# Altium PCB PCB-FPGA.PcbDoc (part 2 of 2) (continued)
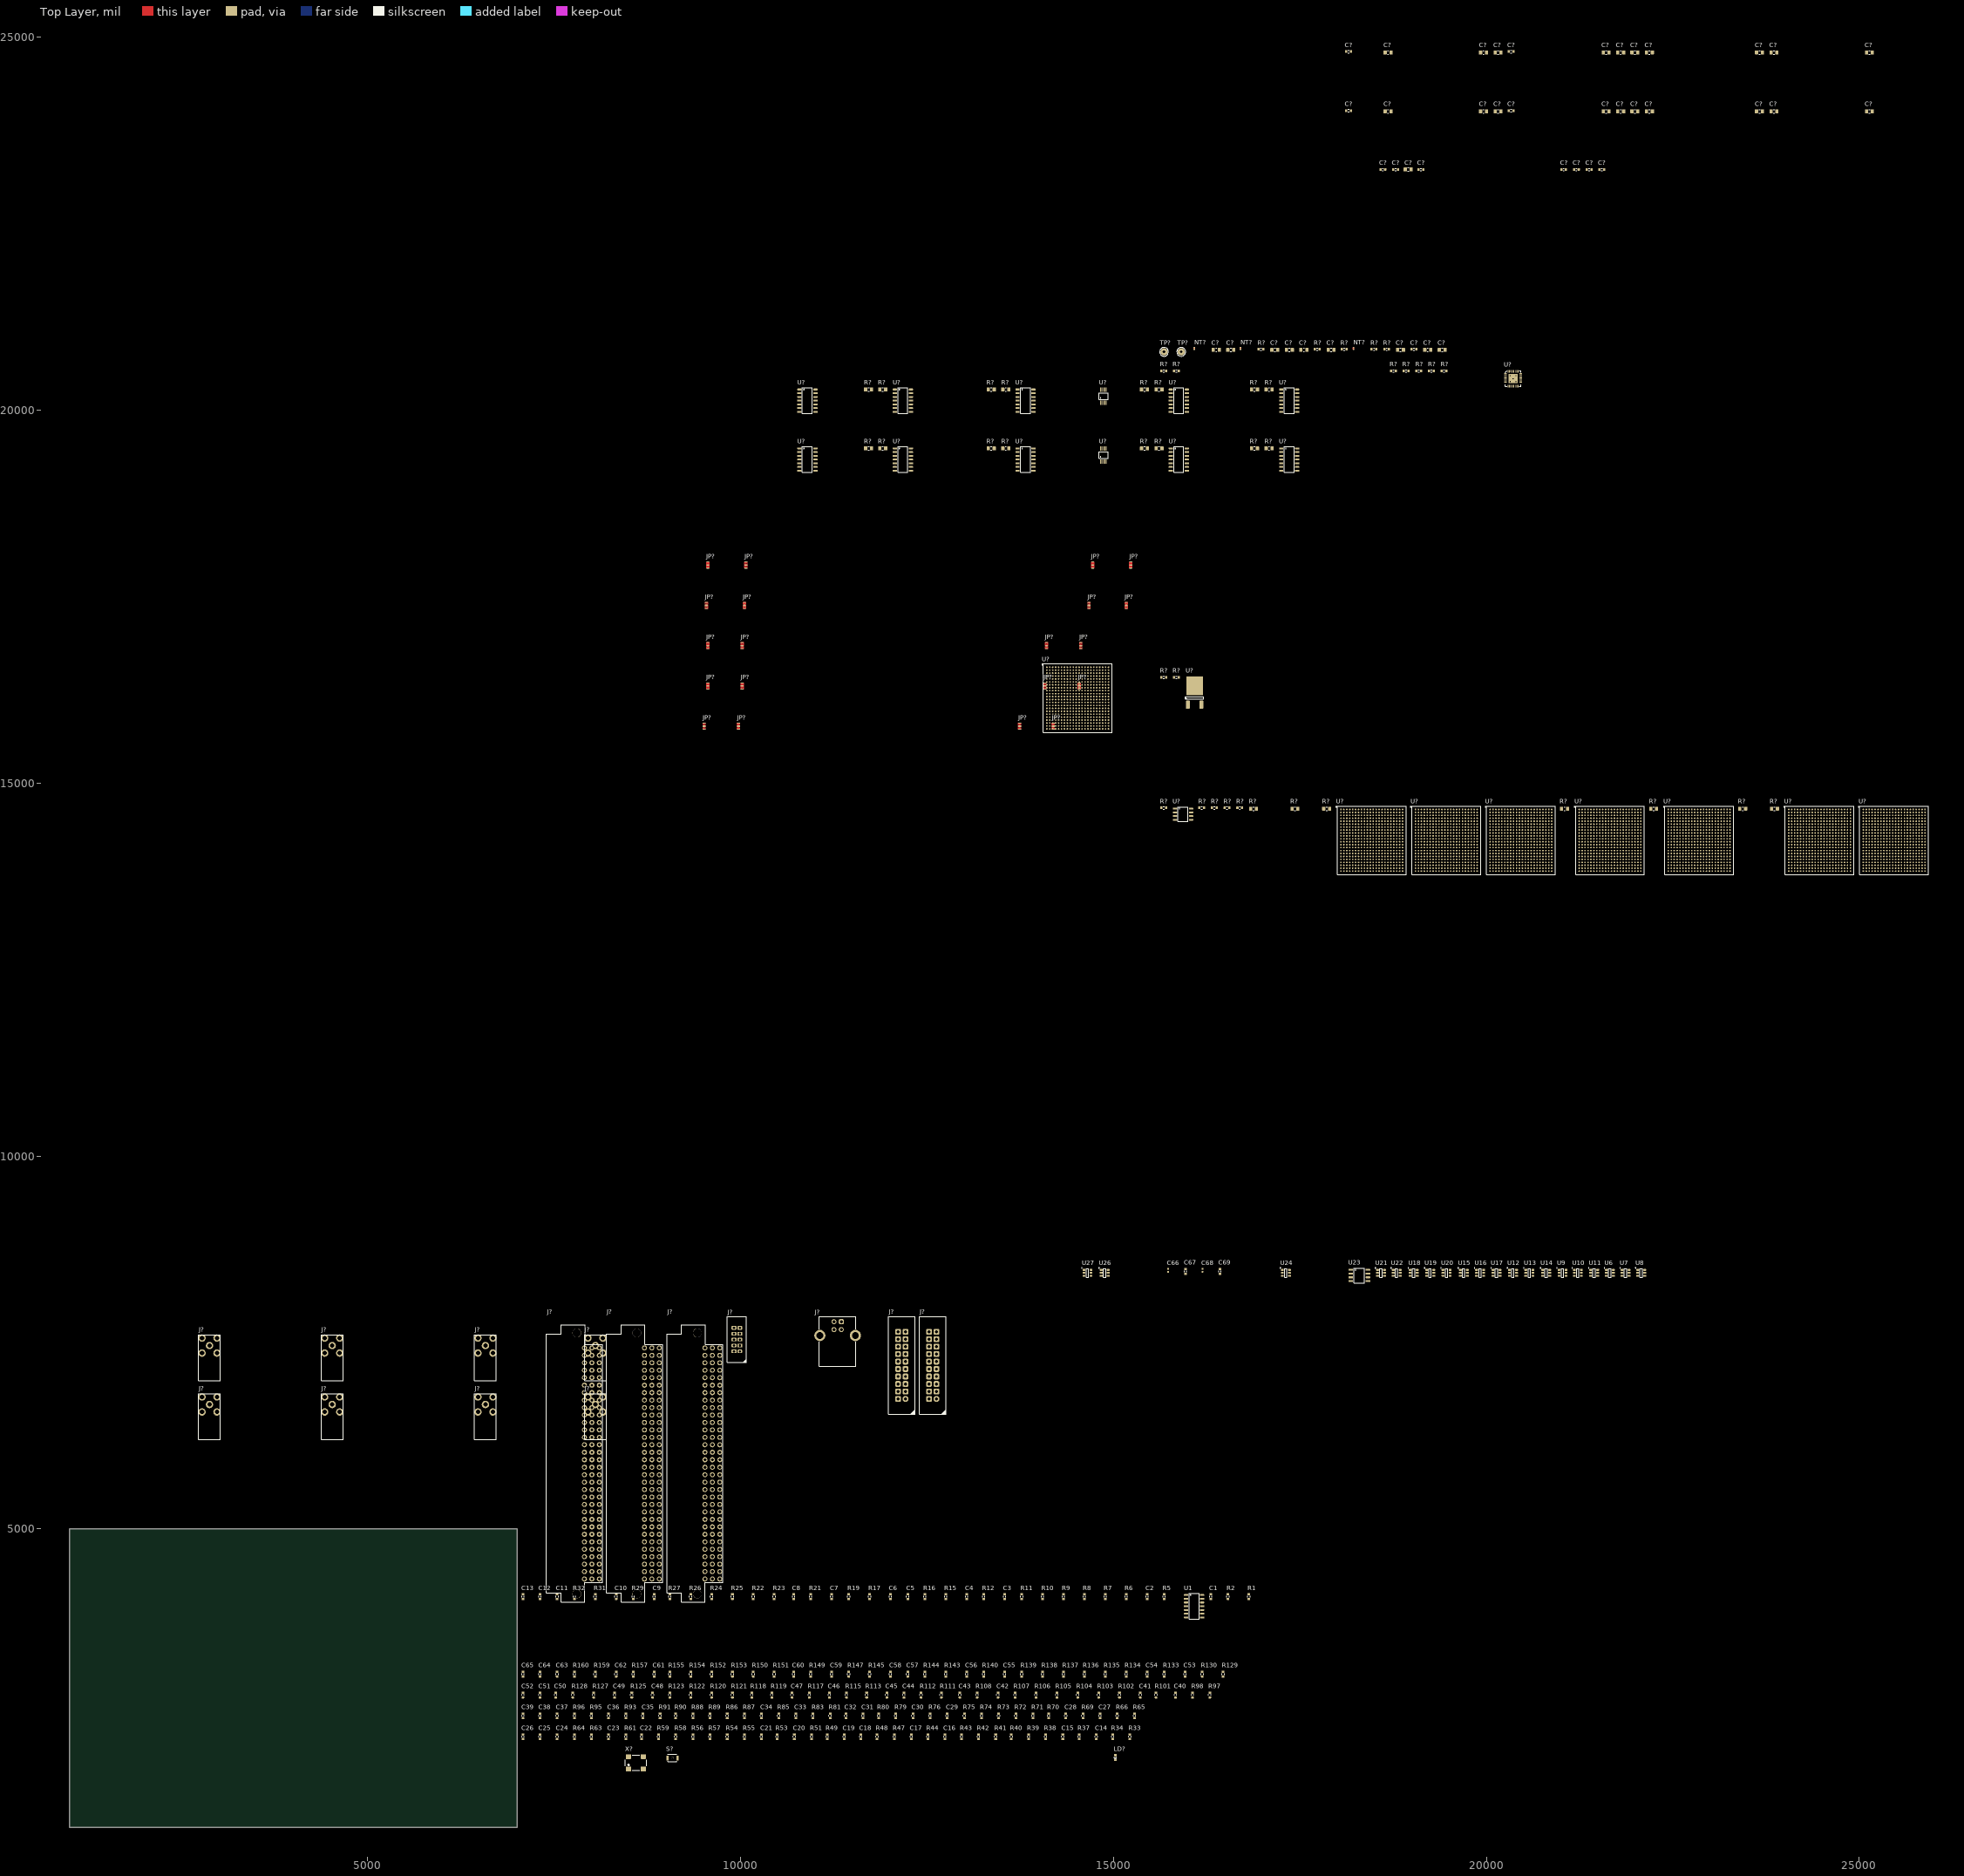
[diagram p0: Top Layer view]
## Nets (pads, with @x,y where several pads share a name; then routed paths per layer and width w, separated by ;. In a path a pad name is that pad's centre, name@x,y a point inside that pad or via, vN(x,y) a via of type N, cw(c..) or ccw(c..) an arc to the next point about the centre after c; other vN are vias at no path point) (continued)
pads on no net: C14.1 C14.2 C15.1 C15.2 C16.1 C16.2 C17.1 C17.2 C18.1 C18.2 C19.1 C19.2 C20.1 C20.2 C21.1 C21.2 C22.1 C22.2 C23.1 C23.2 C24.1 C24.2 C25.1 C25.2 C26.1 C26.2 C27.1 C27.2 C28.1 C28.2 C29.1 C29.2 C30.1 C30.2 C31.1 C31.2 C32.1 C32.2 C33.1 C33.2 C34.1 C34.2 C35.1 C35.2 C36.1 C36.2 C37.1 C37.2 C38.1 C38.2 C39.1 C39.2 C40.1 C40.2 C41.1 C41.2 C42.1 C42.2 C43.1 C43.2 C44.1 C44.2 C45.1 C45.2 C46.1 C46.2 C47.1 C47.2 C48.1 C48.2 C49.1 C49.2 C50.1 C50.2 C51.1 C51.2 C52.1 C52.2 C?.1@17877.91,20810 C?.1@19921.26,24010 C?.1@19921.26,24800 C?.1@21566.26,24010 C?.1@21566.26,24800 C?.1@23621.26,24800 C?.1@25096.26,24010 C?.1@25096.26,24800 C?.2@17201.65,20810 C?.2@17956.65,20810 C?.2@18720,24010 C?.2@18886.65,20810 C?.2@20000,24010 C?.2@20000,24800 C?.2@20195,24010 C?.2@20195,24800 C?.2@21645,24010 C?.2@21645,24800 C?.2@21840,24010 C?.2@21840,24800 C?.2@22225,24010 C?.2@22225,24800 C?.2@23700,24010 C?.2@23700,24800 C?.2@23895,24010 C?.2@23895,24800 C?.2@25175,24010 C?.2@25175,24800 J?.0 J?.1@2877.72,6670 J?.1@2877.72,7460 J?.1@4522.72,6670 J?.1@4522.72,7460 J?.1@6577.72,6670 J?.1@6577.72,7460 J?.1@8052.72,6670 J?.1@8052.72,7460 J?.1@11349.21,7780.55 J?.1@12625,6745 J?.2@11250.79,7780.55 J?.2@12525,6745 J?.3@11250.79,7674.25 J?.3@12210,6845 J?.3@12625,6845 J?.4@11349.21,7674.25 J?.4@12110,6845 J?.5@11061.81,7595.51 J?.5@12210,6945 J?.5@12625,6945 J?.6@11538.19,7595.51 J?.6@12110,6945 J?.7@12210,7045 J?.7@12625,7045 J?.8@12110,7045 J?.9@12210,7145 J?.9@12625,7145 J?.10@12110,7145 J?.11@12210,7245 J?.12@12110,7245 J?.13@12210,7345 J?.14@12110,7345 J?.15@12625,7445 J?.16@12110,7445 J?.17@12210,7545 J?.18@12110,7545 J?.19@12625,7645 J?.20@12525,7645 J?.A1@8710,4328.82 J?.A1@9520,4328.82 J?.A2@8710,4428.82 J?.A2@9520,4428.82 J?.A3@8710,4528.82 J?.A3@9520,4528.82 J?.A4@8710,4628.82 J?.A4@9520,4628.82 J?.A5@8710,4728.82 J?.A5@9520,4728.82 J?.A6@8710,4828.82 J?.A6@9520,4828.82 J?.A7@8710,4928.82 J?.A7@9520,4928.82 J?.A8@8710,5028.82 J?.A8@9520,5028.82 J?.A9@8710,5128.82 J?.A9@9520,5128.82 J?.A10@8710,5228.82 J?.A10@9520,5228.82 J?.A11@8710,5328.82 J?.A11@9520,5328.82 J?.A12@8710,5428.82 J?.A12@9520,5428.82 J?.A13@8710,5528.82 J?.A13@9520,5528.82 J?.A14@8710,5628.82 J?.A14@9520,5628.82 J?.A15@8710,5728.82 J?.A15@9520,5728.82 J?.A16@8710,5828.82 J?.A16@9520,5828.82 J?.A17@8710,5928.82 J?.A17@9520,5928.82 J?.A18@8710,6028.82 J?.A18@9520,6028.82 J?.A19@8710,6128.82 J?.A19@9520,6128.82 J?.A20@8710,6228.82 J?.A20@9520,6228.82 J?.A21@8710,6328.82 J?.A21@9520,6328.82 J?.A22@8710,6428.82 J?.A22@9520,6428.82 J?.A23@8710,6528.82 J?.A23@9520,6528.82 J?.A24@8710,6628.82 J?.A24@9520,6628.82 J?.A25@8710,6728.82 J?.A25@9520,6728.82 J?.A26@8710,6828.82 J?.A26@9520,6828.82 J?.A27@8710,6928.82 J?.A27@9520,6928.82 J?.A28@8710,7028.82 J?.A28@9520,7028.82 J?.A29@8710,7128.82 J?.A29@9520,7128.82 J?.A30@8710,7228.82 J?.A30@9520,7228.82 J?.A31@8710,7328.82 J?.A31@9520,7328.82 J?.A32@8710,7428.82 J?.A32@9520,7428.82 J?.B1@8005,4328.82 J?.B1@9620,4328.82 J?.B2@8005,4428.82 J?.B2@9620,4428.82 J?.B3@8005,4528.82 J?.B3@9620,4528.82 J?.B4@8005,4628.82 J?.B4@9620,4628.82 J?.B5@8005,4728.82 J?.B5@9620,4728.82 J?.B6@8005,4828.82 J?.B6@9620,4828.82 J?.B7@8005,4928.82 J?.B7@9620,4928.82 J?.B8@8005,5028.82 J?.B8@9620,5028.82 J?.B9@8005,5128.82 J?.B9@9620,5128.82 J?.B10@8005,5228.82 J?.B10@9620,5228.82 J?.B11@8005,5328.82 J?.B11@9620,5328.82 J?.B12@8005,5428.82 J?.B12@9620,5428.82 J?.B13@8005,5528.82 J?.B13@9620,5528.82 J?.B14@8005,5628.82 J?.B14@9620,5628.82 J?.B15@8005,5728.82 J?.B15@9620,5728.82 J?.B16@8005,5828.82 J?.B16@9620,5828.82 J?.B17@8005,5928.82 J?.B17@9620,5928.82 J?.B18@8005,6028.82 J?.B18@9620,6028.82 J?.B19@8005,6128.82 J?.B19@9620,6128.82 J?.B20@8005,6228.82 J?.B20@9620,6228.82 J?.B21@8005,6328.82 J?.B21@9620,6328.82 J?.B22@8005,6428.82 J?.B22@9620,6428.82 J?.B23@8005,6528.82 J?.B23@9620,6528.82 J?.B24@8005,6628.82 J?.B24@9620,6628.82 J?.B25@8005,6728.82 J?.B25@9620,6728.82 J?.B26@8005,6828.82 J?.B26@9620,6828.82 J?.B27@8005,6928.82 J?.B27@9620,6928.82 J?.B28@8005,7028.82 J?.B28@9620,7028.82 J?.B29@8005,7128.82 J?.B29@9620,7128.82 J?.B30@8005,7228.82 J?.B30@9620,7228.82 J?.B31@8005,7328.82 J?.B31@9620,7328.82 J?.B32@8005,7428.82 J?.B32@9620,7428.82 J?.C1@8105,4328.82 J?.C1@8910,4328.82 J?.C2@8105,4428.82 J?.C2@8910,4428.82 J?.C3@8105,4528.82 J?.C3@8910,4528.82 J?.C4@8105,4628.82 J?.C4@8910,4628.82 J?.C5@8105,4728.82 J?.C5@8910,4728.82 J?.C6@8105,4828.82 J?.C6@8910,4828.82 J?.C7@8105,4928.82 J?.C7@8910,4928.82 J?.C8@8105,5028.82 J?.C8@8910,5028.82 J?.C9@8105,5128.82 J?.C9@8910,5128.82 J?.C10@8105,5228.82 J?.C10@8910,5228.82 J?.C11@8105,5328.82 J?.C11@8910,5328.82 J?.C12@8105,5428.82 J?.C12@8910,5428.82 J?.C13@8105,5528.82 J?.C13@8910,5528.82 J?.C14@8105,5628.82 J?.C14@8910,5628.82 J?.C15@8105,5728.82 J?.C15@8910,5728.82 J?.C16@8105,5828.82 J?.C16@8910,5828.82 J?.C17@8105,5928.82 J?.C17@8910,5928.82 J?.C18@8105,6028.82 J?.C18@8910,6028.82 J?.C19@8105,6128.82 J?.C19@8910,6128.82 J?.C20@8105,6228.82 J?.C20@8910,6228.82 J?.C21@8105,6328.82 J?.C21@8910,6328.82 J?.C22@8105,6428.82 J?.C22@8910,6428.82 J?.C23@8105,6528.82 J?.C23@8910,6528.82 J?.C24@8105,6628.82 J?.C24@8910,6628.82 J?.C25@8105,6728.82 J?.C25@8910,6728.82 J?.C26@8105,6828.82 J?.C26@8910,6828.82 J?.C27@8105,6928.82 J?.C27@8910,6928.82 J?.C28@8105,7028.82 J?.C28@8910,7028.82 J?.C29@8105,7128.82 J?.C29@8910,7128.82 J?.C30@8105,7228.82 J?.C30@8910,7228.82 J?.C31@8105,7328.82 J?.C31@8910,7328.82 J?.C32@8105,7428.82 J?.C32@8910,7428.82 JP?.2@9540.32,17385.16 JP?.2@9560.32,16305.16 JP?.2@9560.32,16845.16 JP?.2@9560.32,17925.16 JP?.2@9970.32,15765.16 JP?.2@10020.32,16305.16 JP?.2@10020.32,16845.16 JP?.2@10050.32,17385.16 JP?.2@10070.32,17925.16 JP?.2@13740.32,15765.16 JP?.2@14080.32,16305.16 JP?.2@14100.32,16845.16 JP?.2@14190.32,15765.16 JP?.2@14540.32,16305.16 JP?.2@14560.32,16845.16 JP?.2@14670.32,17385.16 JP?.2@14720.32,17925.16 JP?.2@15170.32,17385.16 JP?.2@15230.32,17925.16 R5.1 R6.1 R9.1 R10.1 R15.2 R16.2 R22.1 R26.1 R31.2 R32.2 R33.1 R33.2 R34.1 R34.2 R37.1 R37.2 R38.1 R38.2 R39.1 R39.2 R40.1 R40.2 R41.1 R41.2 R42.1 R42.2 R43.1 R43.2 R44.1 R44.2 R47.1 R47.2 R48.1 R48.2 R49.1 R49.2 R51.1 R51.2 R53.1 R53.2 R54.1 R54.2 R55.1 R55.2 R56.1 R56.2 R57.1 R57.2 R58.1 R58.2 R59.1 R59.2 R61.1 R61.2 R63.1 R63.2 R64.1 R64.2 R65.1 R65.2 R66.1 R66.2 R69.1 R69.2 R70.1 R70.2 R71.1 R71.2 R72.1 R72.2 R73.1 R73.2 R74.1 R74.2 R75.1 R75.2 R76.1 R76.2 R79.1 R79.2 R80.1 R80.2 R81.1 R81.2 R83.1 R83.2 R85.1 R85.2 R86.1 R86.2 R87.1 R87.2 R88.1 R88.2 R89.1 R89.2 R90.1 R90.2 R91.1 R91.2 R93.1 R93.2 R95.1 R95.2 R96.1 R96.2 R97.1 R97.2 R98.1 R98.2 R101.1 R101.2 R102.1 R102.2 R103.1 R103.2 R104.1 R104.2 R105.1 R105.2 R106.1 R106.2 R107.1 R107.2 R108.1 R108.2 R111.1 R111.2 R112.1 R112.2 R113.1 R113.2 R115.1 R115.2 R117.1 R117.2 R118.1 R118.2 R119.1 R119.2 R120.1 R120.2 R121.1 R121.2 R122.1 R122.2 R123.1 R123.2 R125.1 R125.2 R127.1 R127.2 R128.1 R128.2 R143.2 R144.2 R159.2 R?.1@11675.63,19490 R?.1@11675.63,20280 R?.1@11865.63,19490 R?.1@11865.63,20280 R?.1@13515.63,19490 R?.1@13515.63,20280 R?.1@15375.63,19490 R?.1@15375.63,20280 R?.1@15570.63,20280 R?.1@15810.79,16420 R?.1@16150.79,14670 R?.1@16320.79,14670 R?.1@16490.79,14670 R?.1@16660.79,14670 R?.1@16837.91,14660 R?.1@16850.63,19490 R?.1@16850.63,20280 R?.1@17045.63,19490 R?.1@17045.63,20280 R?.1@17700.79,20820 R?.1@18630.79,20820 R?.1@19400.79,20530 R?.1@22202.91,14660 R?.2@11754.37,19490 R?.2@11754.37,20280 R?.2@11944.37,19490 R?.2@13399.37,19490 R?.2@13399.37,20280 R?.2@13594.37,19490 R?.2@13594.37,20280 R?.2@15454.37,20280 R?.2@15649.37,19490 R?.2@15649.37,20280 R?.2@15703.78,14670 R?.2@15703.78,16420 R?.2@16929.37,19490 R?.2@16929.37,20280 R?.2@17008.78,20820 R?.2@17124.37,19490 R?.2@17124.37,20280 R?.2@17471.65,14660 R?.2@18523.78,20820 R?.2@18693.78,20820 S?.3 U23.1 U23.5 U23.7 U23.8 U?.1@10787.72,19490 U?.1@10787.72,20280 U?.1@12067.72,19490 U?.1@12067.72,20280 U?.1@13712.72,19490 U?.1@13712.72,20280 U?.1@15767.72,19490 U?.1@15767.72,20280 U?.1@15825,14660 U?.1@17247.72,19490 U?.1@17247.72,20280 U?.2@10787.72,19440 U?.2@10787.72,20230 U?.2@12067.72,19440 U?.2@12067.72,20230 U?.2@13712.72,19440 U?.2@13712.72,20230 U?.2@14845.32,19313.39 U?.2@14845.32,20103.39 U?.2@15767.72,19440 U?.2@15767.72,20230 U?.2@17247.72,19440 U?.2@17247.72,20230 U?.2@20256.89,20474.21 U?.3@10787.72,19390 U?.3@10787.72,20180 U?.3@12067.72,19390 U?.3@12067.72,20180 U?.3@13712.72,19390 U?.3@13712.72,20180 U?.3@14865,19313.39 U?.3@14865,20103.39 U?.3@15767.72,19390 U?.3@15767.72,20180 U?.3@15825,14560 U?.3@17247.72,19390 U?.3@17247.72,20180 U?.3@20256.89,20454.53 U?.4@12067.72,19340 U?.4@12067.72,20130 U?.4@13712.72,19340 U?.4@13712.72,20130 U?.4@15767.72,19340 U?.4@15767.72,20130 U?.4@17247.72,19340 U?.4@17247.72,20130 U?.4@20256.89,20434.84 U?.5@10787.72,19290 U?.5@10787.72,20080 U?.5@12067.72,19290 U?.5@12067.72,20080 U?.5@13712.72,19290 U?.5@13712.72,20080 U?.5@14904.37,19313.39 U?.5@14904.37,20103.39 U?.5@15767.72,19290 U?.5@15767.72,20080 U?.5@17247.72,19290 U?.5@17247.72,20080 U?.5@20256.89,20415.16 U?.6@10787.72,19240 U?.6@10787.72,20030 U?.6@12067.72,19240 U?.6@12067.72,20030 U?.6@13712.72,19240 U?.6@13712.72,20030 U?.6@15767.72,19240 U?.6@15767.72,20030 U?.6@16039.57,14560 U?.6@17247.72,19240 U?.6@17247.72,20030 U?.6@20256.89,20395.47 U?.7 U?.8@11002.28,19190 U?.8@11002.28,19980 U?.8@12282.28,19190 U?.8@12282.28,19980 U?.8@13927.28,19190 U?.8@13927.28,19980 U?.8@15982.28,19190 U?.8@15982.28,19980 U?.8@17462.28,19190 U?.8@17462.28,19980 U?.8@20256.89,20356.1 U?.9@11002.28,19240 U?.9@11002.28,20030 U?.9@12282.28,19240 U?.9@12282.28,20030 U?.9@13927.28,19240 U?.9@13927.28,20030 U?.9@15982.28,19240 U?.9@15982.28,20030 U?.9@17462.28,19240 U?.9@17462.28,20030 U?.9@20288.39,20324.61 U?.10@11002.28,19290 U?.10@11002.28,20080 U?.10@12282.28,19290 U?.10@12282.28,20080 U?.10@13927.28,19290 U?.10@13927.28,20080 U?.10@15982.28,19290 U?.10@15982.28,20080 U?.10@17462.28,19290 U?.10@17462.28,20080 U?.10@20308.07,20324.61 U?.11@12282.28,19340 U?.11@12282.28,20130 U?.11@13927.28,19340 U?.11@13927.28,20130 U?.11@15982.28,19340 U?.11@15982.28,20130 U?.11@17462.28,19340 U?.11@17462.28,20130 U?.11@20327.76,20324.61 U?.12@11002.28,19390 U?.12@11002.28,20180 U?.12@12282.28,19390 U?.12@13927.28,19390 U?.12@13927.28,20180 U?.12@15982.28,19390 U?.12@15982.28,20180 U?.12@17462.28,19390 U?.12@17462.28,20180 U?.12@20347.44,20324.61 U?.13 U?.14 U?.15 U?.16 U?.17 U?.18 U?.20 U?.21 U?.22 U?.23 U?.24 U?.25 U?.26 U?.27 U?.28 U?.29 U?.30 U?.31 U?.32 U?.33 U?.A1@14105.47,16555.55 U?.A1@18048.9,14648.39 U?.A1@19048.9,14648.39 U?.A1@20048.9,14648.39 U?.A1@21243.9,14648.39 U?.A1@22438.9,14648.39 U?.A1@24053.9,14648.39 U?.A2 U?.A3@14184.21,16555.55 U?.A3@19127.64,14648.39 U?.A3@20127.64,14648.39 U?.A3@21322.64,14648.39 U?.A3@22517.64,14648.39 U?.A3@24132.64,14648.39 U?.A3@25132.64,14648.39 U?.A4 U?.A5 U?.A6 U?.A7 U?.A8 U?.A9 U?.A10 U?.A11 U?.A12 U?.A13 U?.A14 U?.A15 U?.A16 U?.A17 U?.A18 U?.A19@14814.13,16555.55 U?.A19@18757.56,14648.39 U?.A19@19757.56,14648.39 U?.A19@20757.56,14648.39 U?.A19@21952.56,14648.39 U?.A19@24762.56,14648.39 U?.A19@25762.56,14648.39 U?.A20 U?.A21 U?.A22@14932.24,16555.55 U?.A22@18875.67,14648.39 U?.A22@19875.67,14648.39 U?.A22@20875.67,14648.39 U?.A22@22070.67,14648.39 U?.A22@23265.67,14648.39 U?.A22@24880.67,14648.39 U?.AA1@14105.47,15768.15 U?.AA1@18048.9,13860.98 U?.AA1@19048.9,13860.98 U?.AA1@20048.9,13860.98 U?.AA1@21243.9,13860.98 U?.AA1@24053.9,13860.98 U?.AA1@25053.9,13860.98 U?.AA2 U?.AA3@18127.64,13860.98 U?.AA3@19127.64,13860.98 U?.AA3@20127.64,13860.98 U?.AA3@21322.64,13860.98 U?.AA3@22517.64,13860.98 U?.AA3@24132.64,13860.98 U?.AA3@25132.64,13860.98 U?.AA4 U?.AA5@14262.95,15768.15 U?.AA5@18206.38,13860.98 U?.AA5@19206.38,13860.98 U?.AA5@20206.38,13860.98 U?.AA5@21401.38,13860.98 U?.AA5@22596.38,13860.98 U?.AA5@24211.38,13860.98 U?.AA6 U?.AA7@18285.12,13860.98 U?.AA7@19285.12,13860.98 U?.AA7@20285.12,13860.98 U?.AA7@21480.12,13860.98 U?.AA7@22675.12,13860.98 U?.AA7@24290.12,13860.98 U?.AA7@25290.12,13860.98 U?.AA8 U?.AA9@14420.43,15768.15 U?.AA9@18363.86,13860.98 U?.AA9@19363.86,13860.98 U?.AA9@20363.86,13860.98 U?.AA9@21558.86,13860.98 U?.AA9@22753.86,13860.98 U?.AA9@24368.86,13860.98 U?.AA10 U?.AA11@18442.6,13860.98 U?.AA11@19442.6,13860.98 U?.AA11@20442.6,13860.98 U?.AA11@21637.6,13860.98 U?.AA11@22832.6,13860.98 U?.AA11@24447.6,13860.98 U?.AA11@25447.6,13860.98 U?.AA12 U?.AA13@14577.91,15768.15 U?.AA13@18521.34,13860.98 U?.AA13@19521.34,13860.98 U?.AA13@20521.34,13860.98 U?.AA13@21716.34,13860.98 U?.AA13@22911.34,13860.98 U?.AA13@24526.34,13860.98 U?.AA14 U?.AA15@18600.08,13860.98 U?.AA15@19600.08,13860.98 U?.AA15@20600.08,13860.98 U?.AA15@21795.08,13860.98 U?.AA15@22990.08,13860.98 U?.AA15@24605.08,13860.98 U?.AA15@25605.08,13860.98 U?.AA16 U?.AA17@14735.39,15768.15 U?.AA17@18678.82,13860.98 U?.AA17@19678.82,13860.98 U?.AA17@20678.82,13860.98 U?.AA17@21873.82,13860.98 U?.AA17@23068.82,13860.98 U?.AA17@24683.82,13860.98 U?.AA18 U?.AA19@18757.56,13860.98 U?.AA19@19757.56,13860.98 U?.AA19@20757.56,13860.98 U?.AA19@21952.56,13860.98 U?.AA19@23147.56,13860.98 U?.AA19@24762.56,13860.98 U?.AA19@25762.56,13860.98 U?.AA20@14853.5,15768.15 U?.AA20@18796.93,13860.98 U?.AA20@19796.93,13860.98 U?.AA20@20796.93,13860.98 U?.AA20@23186.93,13860.98 U?.AA20@24801.93,13860.98 U?.AA20@25801.93,13860.98 U?.AA21 U?.AA22 U?.AB1@14105.47,15728.78 U?.AB1@18048.9,13821.61 U?.AB1@19048.9,13821.61 U?.AB1@20048.9,13821.61 U?.AB1@21243.9,13821.61 U?.AB1@22438.9,13821.61 U?.AB1@24053.9,13821.61 U?.AB2 U?.AB3 U?.AB4 U?.AB5 U?.AB6 U?.AB7 U?.AB8 U?.AB9 U?.AB10 U?.AB11 U?.AB12 U?.AB13 U?.AB14 U?.AB15 U?.AB16 U?.AB17 U?.AB18 U?.AB19 U?.AB20@14853.5,15728.78 U?.AB20@18796.93,13821.61 U?.AB20@19796.93,13821.61 U?.AB20@20796.93,13821.61 U?.AB20@23186.93,13821.61 U?.AB20@24801.93,13821.61 U?.AB20@25801.93,13821.61 U?.AB21 U?.AB22@14932.24,15728.78 U?.AB22@18875.67,13821.61 U?.AB22@19875.67,13821.61 U?.AB22@20875.67,13821.61 U?.AB22@22070.67,13821.61 U?.AB22@23265.67,13821.61 U?.AB22@24880.67,13821.61 U?.B1 U?.B2 U?.B3 U?.B4@18167.01,14609.02 U?.B4@19167.01,14609.02 U?.B4@20167.01,14609.02 U?.B4@21362.01,14609.02 U?.B4@22557.01,14609.02 U?.B4@24172.01,14609.02 U?.B4@25172.01,14609.02 U?.B5@14262.95,16516.18 U?.B5@18206.38,14609.02 U?.B5@19206.38,14609.02 U?.B5@20206.38,14609.02 U?.B5@21401.38,14609.02 U?.B5@22596.38,14609.02 U?.B5@24211.38,14609.02 U?.B6 U?.B7@18285.12,14609.02 U?.B7@19285.12,14609.02 U?.B7@20285.12,14609.02 U?.B7@21480.12,14609.02 U?.B7@22675.12,14609.02 U?.B7@24290.12,14609.02 U?.B7@25290.12,14609.02 U?.B8 U?.B9@14420.43,16516.18 U?.B9@18363.86,14609.02 U?.B9@19363.86,14609.02 U?.B9@20363.86,14609.02 U?.B9@21558.86,14609.02 U?.B9@22753.86,14609.02 U?.B9@24368.86,14609.02 U?.B10 U?.B11@18442.6,14609.02 U?.B11@19442.6,14609.02 U?.B11@20442.6,14609.02 U?.B11@21637.6,14609.02 U?.B11@22832.6,14609.02 U?.B11@24447.6,14609.02 U?.B11@25447.6,14609.02 U?.B12 U?.B13@14577.91,16516.18 U?.B13@18521.34,14609.02 U?.B13@19521.34,14609.02 U?.B13@20521.34,14609.02 U?.B13@21716.34,14609.02 U?.B13@22911.34,14609.02 U?.B13@24526.34,14609.02 U?.B14 U?.B15@18600.08,14609.02 U?.B15@19600.08,14609.02 U?.B15@20600.08,14609.02 U?.B15@21795.08,14609.02 U?.B15@22990.08,14609.02 U?.B15@24605.08,14609.02 U?.B15@25605.08,14609.02 U?.B16 U?.B17@14735.39,16516.18 U?.B17@18678.82,14609.02 U?.B17@19678.82,14609.02 U?.B17@20678.82,14609.02 U?.B17@21873.82,14609.02 U?.B17@23068.82,14609.02 U?.B17@24683.82,14609.02 U?.B18 U?.B19@18757.56,14609.02 U?.B19@19757.56,14609.02 U?.B19@20757.56,14609.02 U?.B19@21952.56,14609.02 U?.B19@23147.56,14609.02 U?.B19@24762.56,14609.02 U?.B19@25762.56,14609.02 U?.B20 U?.B21 U?.B22 U?.C1 U?.C2@18088.27,14569.65 U?.C2@19088.27,14569.65 U?.C2@20088.27,14569.65 U?.C2@21283.27,14569.65 U?.C2@22478.27,14569.65 U?.C2@24093.27,14569.65 U?.C2@25093.27,14569.65 U?.C3 U?.C4 U?.C5 U?.C6 U?.C7 U?.C8 U?.C9 U?.C10 U?.C11 U?.C12 U?.C13 U?.C14 U?.C15 U?.C16 U?.C17 U?.C18@14774.76,16476.81 U?.C18@18718.19,14569.65 U?.C18@19718.19,14569.65 U?.C18@20718.19,14569.65 U?.C18@21913.19,14569.65 U?.C18@24723.19,14569.65 U?.C18@25723.19,14569.65 U?.C19 U?.C20 U?.C21@18836.3,14569.65 U?.C21@19836.3,14569.65 U?.C21@20836.3,14569.65 U?.C21@22031.3,14569.65 U?.C21@23226.3,14569.65 U?.C21@24841.3,14569.65 U?.C21@25841.3,14569.65 U?.C22 U?.D1 U?.D2 U?.D3 U?.D4@14223.58,16437.44 U?.D4@18167.01,14530.28 U?.D4@19167.01,14530.28 U?.D4@20167.01,14530.28 U?.D4@21362.01,14530.28 U?.D4@22557.01,14530.28 U?.D4@24172.01,14530.28 U?.D5 U?.D6 U?.D7 U?.D8 U?.D9 U?.D10 U?.D11 U?.D12 U?.D13 U?.D14 U?.D15 U?.D16@18639.45,14530.28 U?.D16@19639.45,14530.28 U?.D16@20639.45,14530.28 U?.D16@21834.45,14530.28 U?.D16@23029.45,14530.28 U?.D16@24644.45,14530.28 U?.D16@25644.45,14530.28 U?.D17 U?.D18@14774.76,16437.44 U?.D18@18718.19,14530.28 U?.D18@19718.19,14530.28 U?.D18@20718.19,14530.28 U?.D18@21913.19,14530.28 U?.D18@23108.19,14530.28 U?.D18@24723.19,14530.28 U?.D19 U?.D20 U?.D21 U?.D22 U?.E1 U?.E2@14144.84,16398.07 U?.E2@18088.27,14490.91 U?.E2@19088.27,14490.91 U?.E2@20088.27,14490.91 U?.E2@21283.27,14490.91 U?.E2@22478.27,14490.91 U?.E2@24093.27,14490.91 U?.E3 U?.E4 U?.E5 U?.E6 U?.E7@14341.69,16398.07 U?.E7@18285.12,14490.91 U?.E7@19285.12,14490.91 U?.E7@20285.12,14490.91 U?.E7@21480.12,14490.91 U?.E7@22675.12,14490.91 U?.E7@24290.12,14490.91 U?.E8 U?.E9@18363.86,14490.91 U?.E9@19363.86,14490.91 U?.E9@20363.86,14490.91 U?.E9@21558.86,14490.91 U?.E9@22753.86,14490.91 U?.E9@24368.86,14490.91 U?.E9@25368.86,14490.91 U?.E10 U?.E11@14499.17,16398.07 U?.E11@18442.6,14490.91 U?.E11@19442.6,14490.91 U?.E11@20442.6,14490.91 U?.E11@21637.6,14490.91 U?.E11@22832.6,14490.91 U?.E11@24447.6,14490.91 U?.E12 U?.E13@18521.34,14490.91 U?.E13@19521.34,14490.91 U?.E13@20521.34,14490.91 U?.E13@21716.34,14490.91 U?.E13@22911.34,14490.91 U?.E13@24526.34,14490.91 U?.E13@25526.34,14490.91 U?.E14 U?.E15@14656.65,16398.07 U?.E15@18600.08,14490.91 U?.E15@19600.08,14490.91 U?.E15@20600.08,14490.91 U?.E15@21795.08,14490.91 U?.E15@22990.08,14490.91 U?.E15@24605.08,14490.91 U?.E16 U?.E17@18678.82,14490.91 U?.E17@19678.82,14490.91 U?.E17@20678.82,14490.91 U?.E17@21873.82,14490.91 U?.E17@23068.82,14490.91 U?.E17@24683.82,14490.91 U?.E17@25683.82,14490.91 U?.E18@14774.76,16398.07 U?.E18@18718.19,14490.91 U?.E18@19718.19,14490.91 U?.E18@20718.19,14490.91 U?.E18@21913.19,14490.91 U?.E18@24723.19,14490.91 U?.E18@25723.19,14490.91 U?.E19@18757.56,14490.91 U?.E19@19757.56,14490.91 U?.E19@20757.56,14490.91 U?.E19@21952.56,14490.91 U?.E19@23147.56,14490.91 U?.E19@24762.56,14490.91 U?.E19@25762.56,14490.91 U?.E20 U?.E21@14892.87,16398.07 U?.E21@18836.3,14490.91 U?.E21@19836.3,14490.91 U?.E21@20836.3,14490.91 U?.E21@22031.3,14490.91 U?.E21@23226.3,14490.91 U?.E21@24841.3,14490.91 U?.E22 U?.F1 U?.F2 U?.F3 U?.F4@18167.01,14451.54 U?.F4@19167.01,14451.54 U?.F4@20167.01,14451.54 U?.F4@21362.01,14451.54 U?.F4@22557.01,14451.54 U?.F4@24172.01,14451.54 U?.F4@25172.01,14451.54 U?.F5 U?.F6@18245.75,14451.54 U?.F6@19245.75,14451.54 U?.F6@20245.75,14451.54 U?.F6@21440.75,14451.54 U?.F6@22635.75,14451.54 U?.F6@24250.75,14451.54 U?.F6@25250.75,14451.54 U?.F7 U?.F8 U?.F9 U?.F10 U?.F11@18442.6,14451.54 U?.F11@19442.6,14451.54 U?.F11@20442.6,14451.54 U?.F11@21637.6,14451.54 U?.F11@22832.6,14451.54 U?.F11@24447.6,14451.54 U?.F11@25447.6,14451.54 U?.F12 U?.F13 U?.F14 U?.F15 U?.F16 U?.F17 U?.F18 U?.F19 U?.F20 U?.F21 U?.F22 U?.G1 U?.G2@18088.27,14412.17 U?.G2@19088.27,14412.17 U?.G2@20088.27,14412.17 U?.G2@21283.27,14412.17 U?.G2@22478.27,14412.17 U?.G2@24093.27,14412.17 U?.G2@25093.27,14412.17 U?.G3 U?.G4 U?.G5@14262.95,16319.33 U?.G5@18206.38,14412.17 U?.G5@19206.38,14412.17 U?.G5@20206.38,14412.17 U?.G5@21401.38,14412.17 U?.G5@22596.38,14412.17 U?.G5@24211.38,14412.17 U?.G6 U?.G7 U?.G8 U?.G9 U?.G10@18403.23,14412.17 U?.G10@19403.23,14412.17 U?.G10@20403.23,14412.17 U?.G10@21598.23,14412.17 U?.G10@22793.23,14412.17 U?.G10@24408.23,14412.17 U?.G10@25408.23,14412.17 U?.G11 U?.G12@18481.97,14412.17 U?.G12@19481.97,14412.17 U?.G12@20481.97,14412.17 U?.G12@21676.97,14412.17 U?.G12@22871.97,14412.17 U?.G12@24486.97,14412.17 